# Altium PCB Thunderscope_Rev5.PCBDOC (part 7 of 7)
Units mm, origin at the board's own origin, x right, y up, seen from the top; angles counter-clockwise.
Board outline 119 x 103.6 mm, 6 copper layers (Top Layer, Int1 (GND), Int2 (Sign), Int3 (Sign), Int4 (GND), Bottom Layer), stack 1.49 mm thick; 745 components, 417 nets, 2478 pads, 1216 vias.
Unrouted connection lines stored in the file: 495.
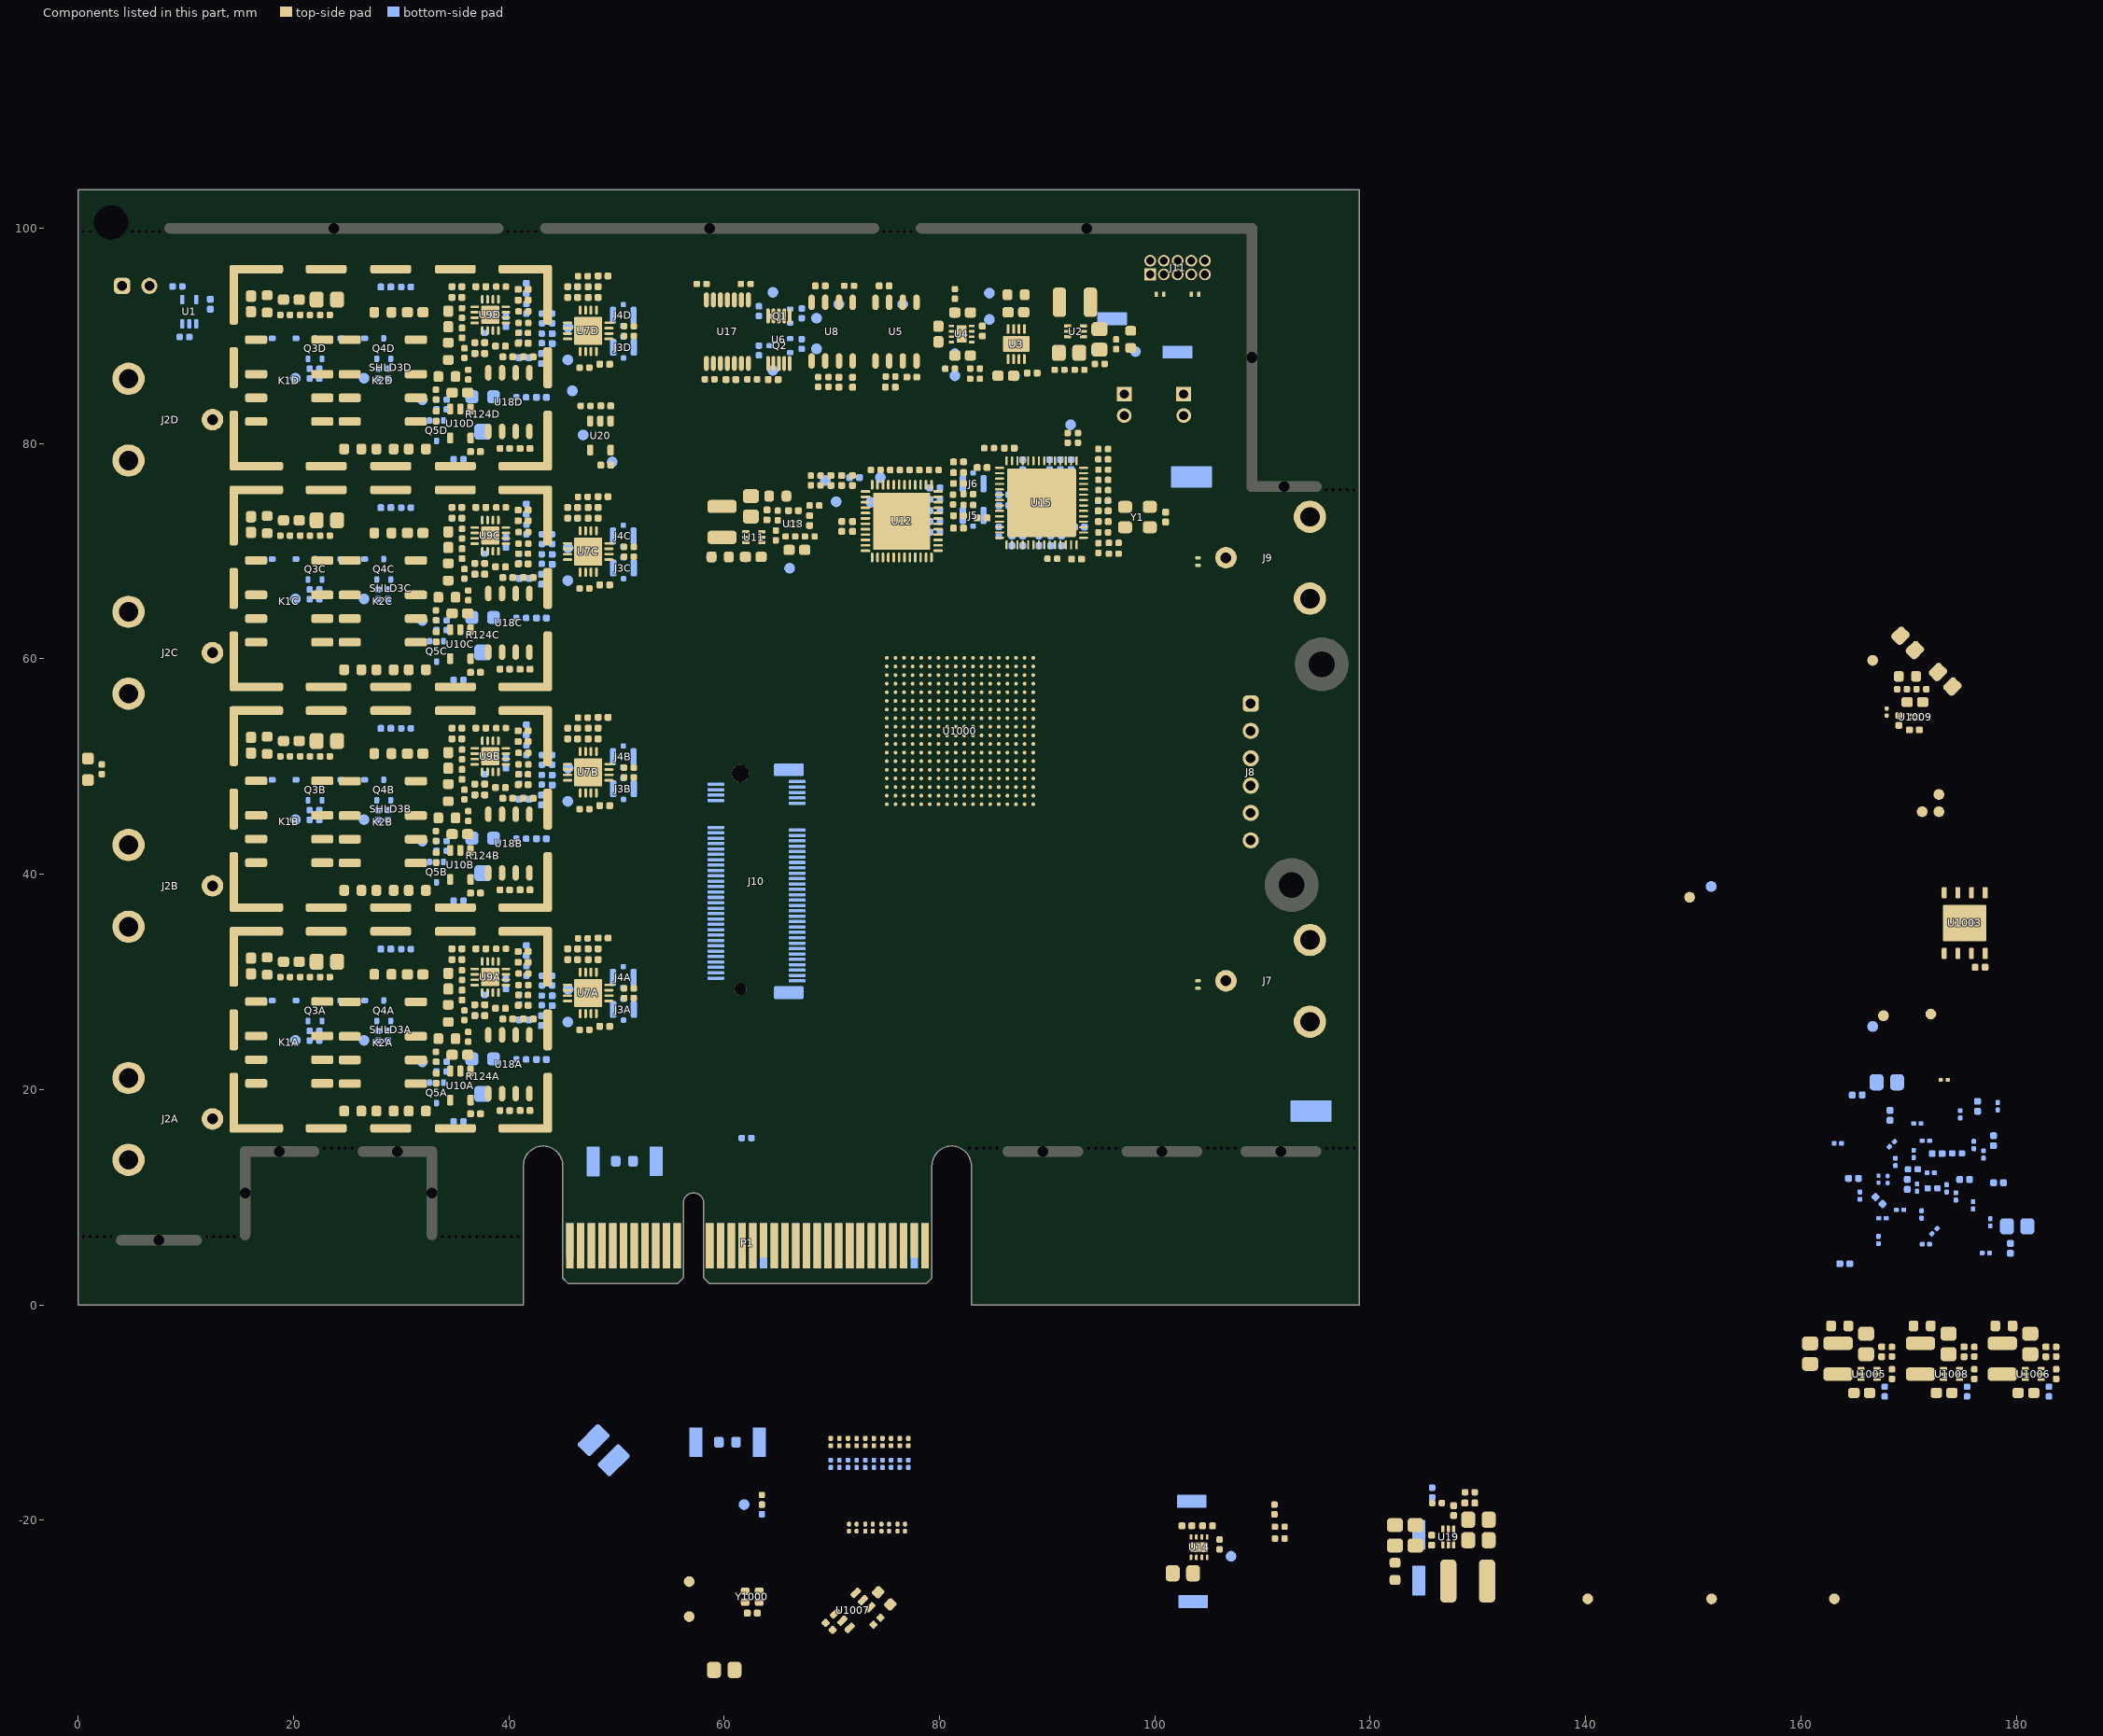
[diagram p11: the components of this part, seen from the top]

## Via types
v1: diameter 0.406, hole 0.203, Top Layer to Bottom Layer, tented both sides, 1216 vias

## Nets (pads, with @x,y where several pads share a name; then routed paths per layer and width w, separated by ;. In a path a pad name is that pad's centre, name@x,y a point inside that pad or via, vN(x,y) a via of type N, cw(c..) or ccw(c..) an arc to the next point about the centre after c; other vN are vias at no path point) (continued)
copper on no net: | length 4.4
  Bottom Layer w0.127: 55.087,-17.94 55.087,-16.813 ; 55.166,-17.954 55.488,-18.275 55.9,-18.275
  Bottom Layer w0.254: 55.074,-19.254 55.571,-19.254 55.827,-18.998 ; 55.913,-18.912 57.413,-18.912

## Polygon pours and split planes (outlines as drawn)
GND on Top Layer "GND_L05_P-001" (solid, remove dead copper, shelved, pour order 80): 0,0 0,104 119,104 119,0
no net on Top Layer "+2V5_L01_P-001" (solid, shelved, pour order 71): 95.5,29.5 96.5,29.5 96.5,31.925 90.8,31.925 90.8,31.1 95.5,31.1
+VUSB on Top Layer "+VUSB_L01_P-001" (solid, shelved, pour order 75): 97.2,89.325 97.2,86.225 95.8,86.225 95.8,81.225 98.5,81.225 98.5,89.325
NetC2_2 on Top Layer "NetC2_2_IN_L01_P-001" (solid, shelved, pour order 78): 93.025,94.485 98.5,94.485 98.5,89.6 97.2,89.6 97.2,90 93.025,90
+5V2 on Top Layer "+5V2_L01_P-001" (solid, shelved, pour order 79): 90.2,87.675 90.2,95.725 80.9,95.725 80.9,93 89.225,93 89.225,87.675
+3V3 on Top Layer "+3V3_L01_P-001" (solid, shelved, pour order 70): 98.885,39.05 97.385,39.05 97.385,40.85 98.885,40.85
+3V3_IN on Top Layer "+3V3_L01_P-001" (solid, shelved, pour order 77): 97.5,35.7 99,35.7 99,33.1 97.5,33.1
+3V3_IN on Top Layer "+3V3_L01_P-002" (solid, shelved, pour order 53): 56.95,31.5 58.45,31.5 58.45,29.025 56.95,29.025
+3V3_M2 on Top Layer "+3V3_M2_L01_P-001" (solid, shelved, pour order 74): 67.25,48.875 68.5,48.875 68.5,31.875 77.75,31.875 77.75,27 67.25,27
GND on Bottom Layer "GND_L05_P-001" (solid, remove dead copper, shelved, pour order 104): 0,0 0,104 119,104 119,0
-VFFED on Bottom Layer "-VFFEA_L06_P-001" (solid, shelved, pour order 54): 36.9,95.5 41,95.5 41,91.4 39.3,91.4 39.3,93.3 36.9,93.3 36.9,89.609 38.7,89.609 38.7,88.1 30.6,88.1 30.6,95.5
-VFFEC on Bottom Layer "-VFFEC_L06_P-001" (solid, shelved, pour order 69): 36.9,75 41,75 41,70.9 39.3,70.9 39.3,72.8 36.9,72.8 36.9,69.109 38.7,69.109 38.7,67.6 30.6,67.6 30.6,75
-VFFEB on Bottom Layer "-VFFEB_L06_P-001" (solid, shelved, pour order 101): 36.9,54.5 41,54.5 41,50.4 39.3,50.4 39.3,52.3 36.9,52.3 36.9,48.609 38.7,48.609 38.7,47.1 30.6,47.1 30.6,54.5
-VFFEA on Bottom Layer "-VFFEA_L06_P-001" (solid, shelved, pour order 102): 36.9,34 41,34 41,29.9 39.3,29.9 39.3,31.8 36.9,31.8 36.9,28.109 38.7,28.109 38.7,26.6 30.6,26.6 30.6,34
+3V3_PCIe on Bottom Layer "+3V3_PCIe_L01_P-001" (solid, shelved, pour order 103): 55,7.75 52.3,7.75 52.3,11.925 50.725,11.925 50.725,14.75 52.3,14.75 55,14.75
GND on Int2 (Sign) "GND_L05_P-001" (solid, remove dead copper, shelved, pour order 95): 0,0 0,104 119,104 119,0
+5V2 on Int2 (Sign) "+5V2_L03_P-001" (solid, remove dead copper, shelved, pour order 73): 105.375,61.6 110.325,61.6 110.325,95.575 89.275,95.575 89.275,85.975 105.375,85.975
+12V_PCIe on Int2 (Sign) "+12V_PCIe_L03_P-001" (solid, shelved, pour order 82): 46,7.5 46,19 53,26 53,34 55.25,36.25 55.25,51.25 64.5,60.5 98.5,60.5 98.5,53 63.5,53 60,49.5 60,34 56,30 56,24 49.5,17.5 49.5,7.5
+1V8APLL on Int2 (Sign) "+1V8APLL_L01_P-001" (solid, shelved, pour order 92): 81.75,68.25 101.775,68.25 101.775,79.65 81.75,79.65
+1V8A on Int2 (Sign) "+1V8A_L01_P-001" (solid, shelved, pour order 94): 68.5,76.425 80.25,76.425 80.25,79.65 81.6,79.65 81.6,72.875 72,72.875 72,73.525 68.5,73.525
+1V8D on Int2 (Sign) "+1V8D_L01_P-001" (solid, shelved, pour order 93): 67.05,76.425 67.05,70.125 81.6,70.125 81.6,72.875 72,72.875 72,73.525 68.5,73.525 68.5,76.425
NetC60_2 on Int2 (Sign) "NetC60_2_L01_P-001" (solid, shelved, pour order 87): 69.25,78.125 64.475,78.125 64.475,68.25 85.875,68.25 85.875,71.65 81.75,71.65 81.75,70.125 67.05,70.125 67.05,76.575 69.25,76.575
+3V3 on Int3 (Sign) "+3V3_L04_P-001" (solid, remove dead copper, shelved, pour order 100): 0,0 0,104 119,104 119,0
-5V on Int3 (Sign) "-4V8_L04_P-001" (solid, remove dead copper, shelved, pour order 96): 30.4,96.2 90.1,96.2 90.1,87.1 90.1,84.8 81.7,84.8 81.7,88 72.1,88 72.1,82.2 93.8,82.2 93.8,99.5 25.1,99.5 25.1,31.6 30.4,31.6
+3V3_IN on Int3 (Sign) "+3V3_IN_L04_P-001" (solid, shelved, pour order 99): 43.2,14.9 43.2,2 99.2,2 99.2,35 56.5,35 56.5,28 56.5,14.9
+5V on Int3 (Sign) "+4V8_L04_P-001" (solid, remove dead copper, shelved, pour order 97): 48.025,87.35 50.7,87.35 50.7,85.1 89.8,85.1 89.8,96.4 81.7,96.4 41.3,96.4 41.3,21.9 48.025,21.9
-VFFEA on Int3 (Sign) "+VFFEA_L03_P-001" (solid, shelved, pour order 84): 34.7,35.8 34.7,16.9 32.6,16.9 30.5,19 30.5,35.8
+VFFEA on Int3 (Sign) "+VFFEA_L03_P-001" (solid, remove dead copper, shelved, pour order 90): 41,35.8 41,16.9 34.7,16.9 34.7,35.8
-VFFEC on Int3 (Sign) "+VFFEA_L03_P-001" (solid, shelved, pour order 72): 34.7,76.8 34.7,56.3 30.5,56.3 30.5,76.8
-VFFEB on Int3 (Sign) "+VFFEA_L03_P-001" (solid, shelved, pour order 81): 34.7,56.3 34.7,35.8 30.5,35.8 30.5,56.3
-VFFED on Int3 (Sign) "+VFFEA_L03_P-001" (solid, shelved, pour order 66): 34.8,95.9 34.8,76.8 30.5,76.8 30.5,95.9
+VFFED on Int3 (Sign) "+VFFED_L03_P-001" (solid, shelved, pour order 86): 40.998,95.9 40.998,76.8 34.7,76.8 34.7,95.9
+VFFEB on Int3 (Sign) "+VFFEB_L03_P-001" (solid, shelved, pour order 89): 40.998,56.3 40.998,35.8 34.7,35.8 34.7,56.3
+VFFEC on Int3 (Sign) "+VFFEC_L03_P-001" (solid, shelved, pour order 88): 40.998,76.8 40.998,56.3 34.7,56.3 34.7,76.8
+3V3_PGA on Int3 (Sign) "+3V3_PGA_L04_P-001" (solid, shelved, pour order 91): 48.1,87.2 50.5,87.2 50.5,24.9 48.1,24.9
VDDH on Int3 (Sign) "VDDH_L01_P-001" (solid, shelved, pour order 98): 84.452,79.5 94.475,79.5 94.475,69.5 84.522,69.5
GND on Int4 (GND) "GND_L05_P-001" (solid, remove dead copper, shelved, pour order 51): 0,0 0,104 119,104 119,0
GND on Int1 (GND) "GND_L05_P-001" (solid, remove dead copper, shelved, pour order 52): 0,0 0,104 119,104 119,0

## Keep-outs
Top Layer:
  region: 119,14.875 119,99 118,99 118,14.875
  rectangle: 0,97 119,99.5
  rectangle: 79.3,13.025 119,15.75
  region: 15,14.7 15.05,14.7 33.3,14.7 33.3,9.95 ccw(c33.35,9.95) 33.35,9.9 41.35,9.9 ccw(c41.35,9.95) 41.4,9.95 41.4,12.925 cw(c43.175,12.925) 44.95,12.925 ccw(c45,12.925) 45,12.875 45,15.8 15,15.8
Bottom Layer:
  region: 119,14.875 119,99 118,99 118,14.875
  rectangle: 0,97 119,99.5
  rectangle: 79.3,13.025 119,15.75
  region: 15,14.7 15.05,14.7 33.3,14.7 33.3,9.95 ccw(c33.35,9.95) 33.35,9.9 41.35,9.9 ccw(c41.35,9.95) 41.4,9.95 41.4,12.925 cw(c43.175,12.925) 44.95,12.925 ccw(c45,12.925) 45,12.875 45,15.8 15,15.8
Top Solder:
  rectangle: 33.35,6.625 41.35,9.95
Bottom Solder:
  rectangle: 33.35,6.625 41.35,9.95
KeepOutLayer:
  rectangle: 0,96 8.1,103.6
  rectangle: 33.35,6.625 41.35,9.95
  region: 81.125,15.25 81.125,0 119,0 119,15.25
  region: 0,0 0,7 16,7 16,13.75 32.35,13.75 32.35,7 41.35,7 41.35,0

## Other copper
Top Layer:
  pour cut-out: 14.85,95.8 43.225,95.8 43.225,78.3 14.85,78.3
  pour cut-out: 14.85,34.3 43.225,34.3 43.225,16.8 14.85,16.8
  pour cut-out: 14.85,54.8 43.225,54.8 43.225,37.3 14.85,37.3
  pour cut-out: 14.85,75.3 43.225,75.3 43.225,57.8 14.85,57.8
  pour cut-out: 45.125,26.725 49.625,26.725 49.625,31.225 45.125,31.225
  pour cut-out: 45.125,47.225 49.625,47.225 49.625,51.725 45.125,51.725
  pour cut-out: 45.125,67.725 49.625,67.725 49.625,72.225 45.125,72.225
  pour cut-out: 45.125,88.225 49.625,88.225 49.625,92.725 45.125,92.725
  pour cut-out: 50.419,66.24 50.419,68.825 50.144,68.825 50.144,66.24
  pour cut-out: 55.993,82.966 55.993,84.887 55.72,84.887 55.718,84.886 55.718,82.966
  pour cut-out: 74.425,9.967 75.125,9.967 75.125,10.075 74.425,10.075
  pour cut-out: 72.8,69.1 80.2,69.1 80.2,76.5 72.8,76.5
  pour cut-out: 85.475,70.5 93.475,70.5 93.475,78.5 85.475,78.5
  pour cut-out: 65.575,73.2 67.275,73.2 67.275,71.9 65.575,71.9
  pour cut-out: 45,7.6 79.3,7.6 79.3,2 45,2
Int1 (GND):
  pour cut-out: 45,7.6 79.3,7.6 79.3,2 45,2
Int2 (Sign):
  pour cut-out: 45,7.6 79.3,7.6 79.3,2 45,2
Int3 (Sign):
  pour cut-out: 45,7.6 79.3,7.6 79.3,2 45,2
Int4 (GND):
  pour cut-out: 45,7.6 79.3,7.6 79.3,2 45,2
Bottom Layer:
  pour cut-out: 45,7.6 79.3,7.6 79.3,2 45.05,2 45,2

## Silkscreen, mask and mechanical layers (free items; w line width, h text height)
Top Overlay:
  lines w0.1: 0,6.5 15,6.5 15,14.75 33.35,14.75 33.35,6.5 41.35,6.5 ; 0,99.5 7.65,99.525 ; 81.175,14.75 119,14.75
  text "COMP" at 8.35,95.348 h1.2
  text "GND" at 2.74,92.123 h1.2
  text "CLK IN/OUT" at 110.111,62.725 h1.5
  text "TMS" at 115.043,54.288 h1.2
  text "TDI" at 115.065,51.748 h1.2
  text "TDO" at 115.006,49.208 h1.2
  text "TCK" at 115.019,46.668 h1.2
  text "GND" at 115.005,44.128 h1.2
  text "VREF" at 114.466,41.588 h1.2
  text "SYNC" at 110.2,23.691 h1.5
  text "GND" at 57.424,-24.453 h1 r180
  text "3V3IN" at 57.863,-29.653 h1 r180
Bottom Overlay:
  lines w0.5: 113.625,49.5 119,49.5
  text "SDA_5V" at 63.611,93.721 h1.2
  text "+5V2" at 87.576,93.623 h1.2
  text "CH4_P" at 51.975,93.396 h1.2
  text "CP_IN" at 82.755,93.246 h1.2
  text "+" at 84.378,92.635 h1.2 r270
  text "SDA" at 68.223,92.535 h1.2 r270
  text "-" at 82.4,92.447 h1.2 r180
  text "TRIM4" at 44.771,91.6 h1.2 r270
  text "BST_IN" at 94.07,91.346 h1.2
  text "LDO" at 86.973,91.223 h1.2
  text "-" at 95.875,90.797 h1.2 r180
  text "-" at 84.8,90.278 h1.2
  text "+" at 102.397,90.015 h1.2 r90
  text "-VBIAS" at 76.248,88.909 h1.2 r270
  text "+VBIAS" at 70.323,88.863 h1.2 r270
  text "FE_EN" at 97.202,88.3 h1.2
  text "+VUSB" at 106.832,88.198 h1.2
  text "CP_OUT" at 85.589,88.125 h1.2
  text "+" at 81.153,87.11 h1.2 r270
  text "SCL_5V" at 63.611,86.521 h1.2
  text "SCL" at 68.223,86.418 h1.2 r270
  text "CH4_N" at 51.98,86.021 h1.2
  text "-5V" at 83.853,85.978 h1.2
  text "+5V" at 89.445,85.978 h1.2
  text "PGA_CS4" at 47.975,85.746 h1.2
  text "ATTEN4" at 19.45,85.346 h1.2
  text "TERM4" at 25.873,85.346 h1.2
  text "-" at 81.575,84.978 h1.2
  text "+" at 95.09,84.904 h1.5 r90
  text "+" at 105.885,84.904 h1.5 r270
  text "+5V" at 46.723,83.428 h1.2
  text "CPL4" at 31.191,83.346 h1.2
  text "+" at 95.09,82.904 h1.5 r90
  text "-" at 106.03,82.259 h1.5
  text "PLL / RSTn" at 91.325,81.021 h1.2
  text "LDO" at 46.054,80.316 h1.2
  text "+VUSB" at 99.984,79.392 h1.5
  text "FAN" at 105.509,79.391 h1.5
  text "+3V3_PGA" at 48.754,77.816 h1.2
  text "VCM" at 75.357,77.698 h1.2
  text "CLK_P" at 83.825,77.496 h1.2
  text "ADC_CS" at 69.171,77.47 h1.2 r270
  text "SPI_SCK" at 71.496,76.87 h1.2 r270
  text "LDO" at 66.548,76.448 h1.2
  text "+1V92" at 63.858,76.046 h1.2
  text "GND" at 104.21,74.773 h1.2
  text "SPI_SDO" at 78.38,74.321 h1.2
  text "+" at 62.203,73.735 h1.2 r270
  text "-" at 65.925,73.703 h1.2
  text "CH3_P" at 51.95,72.896 h1.2
  text "TRIM3" at 45.164,71.1 h1.2 r270
  text "-" at 61.825,70.897 h1.2 r180
  text "+" at 58.585,70.897 h1.2 r180
  text "CLK_N" at 83.825,70.271 h1.2
  text "+1V8" at 69.151,68.098 h1.2
  text "BUCK" at 63.042,67.498 h1.2
  text "+3V3" at 59.895,67.489 h1.2
  text "+3V3_PCIe" at 91.208,67.45 h1.2 r180
  text "CH3_N" at 51.955,65.521 h1.2
  text "ATTEN3" at 19.45,64.846 h1.2
  text "TERM3" at 25.873,64.846 h1.2
  text "CPL3" at 31.191,62.846 h1.2
  text "PGA_CS3" at 45.066,62.663 h1.2 r270
  text "CH2_P" at 51.95,52.396 h1.2
  text "TRIM2" at 44.771,50.625 h1.2 r270
  text "CH2_N" at 51.955,45.021 h1.2
  text "ATTEN2" at 19.45,44.346 h1.2
  text "TERM2" at 25.873,44.346 h1.2
  text "CPL2" at 31.191,42.346 h1.2
  text "PGA_CS2" at 44.771,42.163 h1.2 r270
  text "CH1_P" at 51.958,31.896 h1.2
  text "TRIM1" at 44.771,30.1 h1.2 r270
  text "CH1_N" at 51.955,24.521 h1.2
  text "ATTEN1" at 19.45,23.846 h1.2
  text "TERM1" at 25.873,23.846 h1.2
  text "CPL1" at 31.191,21.846 h1.2
  text "PGA_CS1" at 44.771,21.663 h1.2 r270
  text "GND" at 115.31,19.573 h1.2
  text "+3V3_IN" at 50.046,15.396 h1.2
  text "-" at 47.575,11.447 h1.2 r180
  text "+" at 53.847,11.44 h1.2 r90
  text "-" at 77.674,-10.289 h1.2 r180
  text "+3V3_M2" at 59.421,-10.929 h1.2
  text "+3V3_IN" at 65.421,-10.929 h1.2
  text "+" at 57.497,-14.91 h1.2 r90
  text "+3V3" at 107.495,-18.577 h1.2
  text "PERSTn" at 61.81,-20.427 h1.2
  text "-" at 125.328,-21.15 h1.2 r270
  text "ACQ_EN" at 117.933,-22.004 h1.2
  text "BUCK_IN" at 122.871,-23.302 h1.2 r270
  text "+" at 125.36,-25.872 h1.2
  text "+3V3_IN" at 115.821,-26.204 h1.2
  text "+12V" at 122.768,-26.754 h1.2 r270
Top Solder:
  drawing of 61 lines, arcs and shapes, not listed
  text "NM" at 8.587,73.2 h4
  text "AM" at 8.469,67.3 h4
  text "AZ" at 1.475,24.48 h4
  text "MB" at 9.488,8.2 h4
Bottom Solder:
  text "Frodo" at 141.2,7.1 h1.5
  text "(2009-2023)" at 141.2,5.1 h1.5
  text "\"Forever in the Undying Lands of Our Hearts\"" at 141.2,2.171 h1.5
Board Outline:
  the board outline again, w0.1
DrillDrawing:
  text "Drilling Details." at 225.001,138.483 h1
  text ".LEGEND" at 225.25,61.352 h1